# Altium PCB PIC32MZ_BOARD.PcbDoc
Units mil, origin at the board's own origin, x right, y up, seen from the top; angles counter-clockwise.
Board outline 2412 x 890 mil, 2 copper layers (Top Layer, Bottom Layer); 43 components, 60 nets, 232 pads, 195 vias.
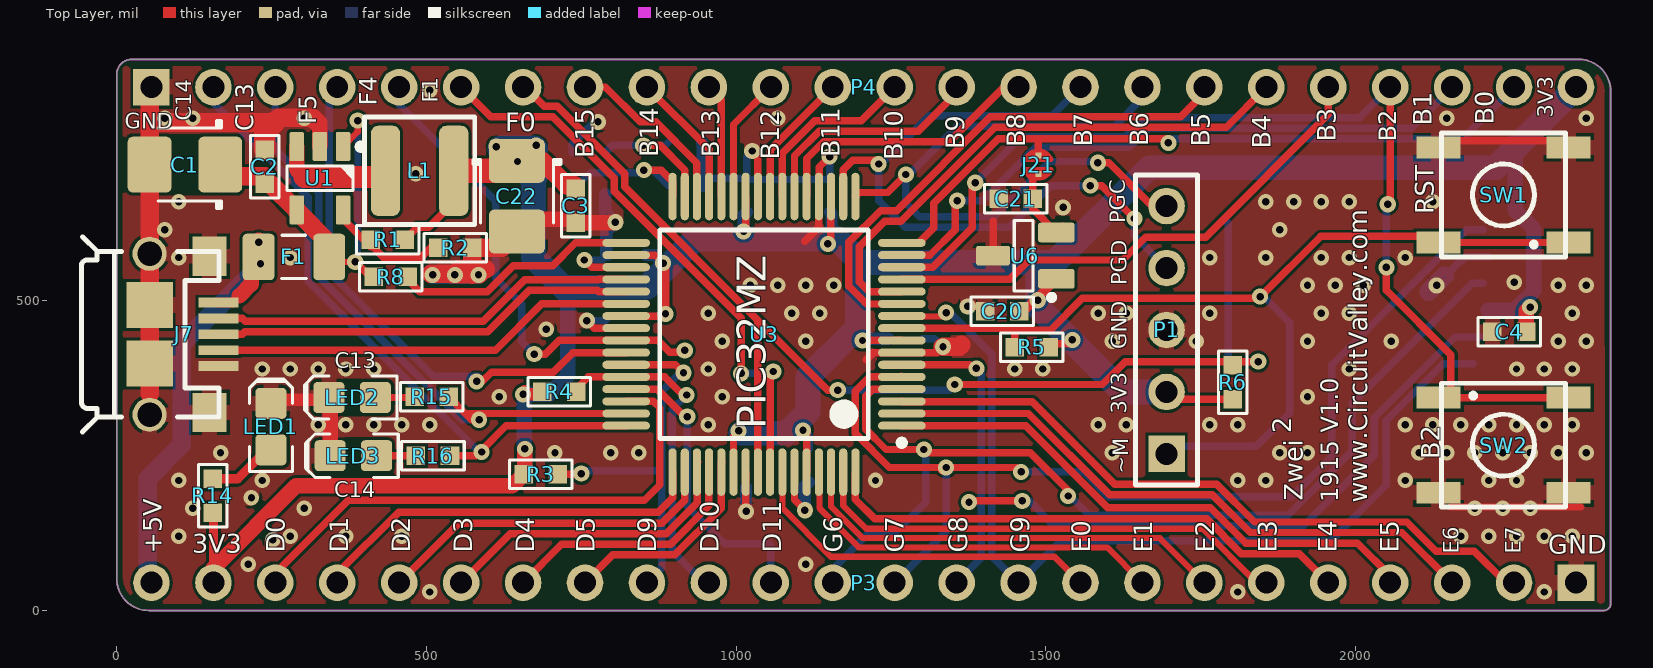
[diagram p0: Top Layer view]
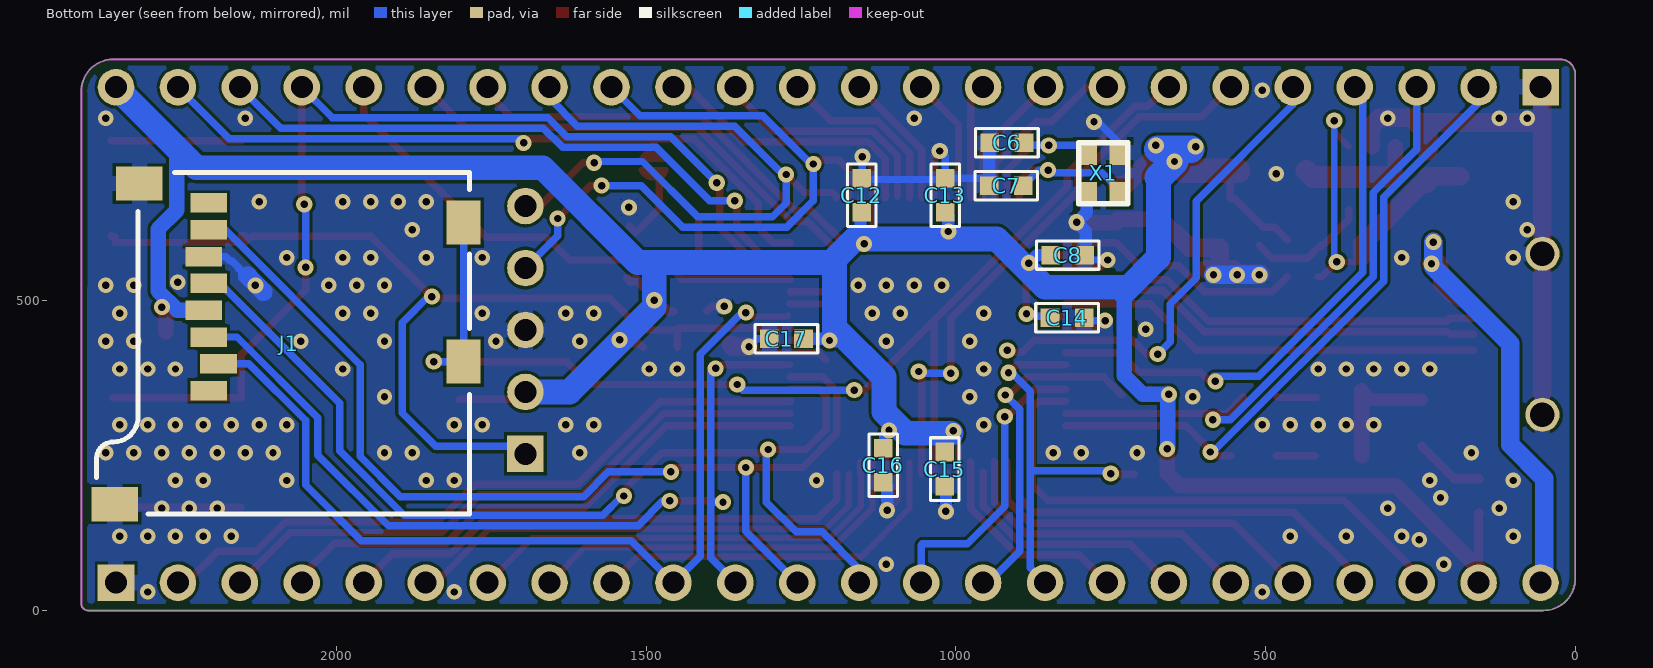
[diagram p1: Bottom Layer view, seen from below]

## Layer stack, top to bottom
Top Solder: solder mask 0.4, Solder Resist, Dk 3.5
Top Layer: signal copper 1.4
Dielectric 1: dielectric 12.6, FR-4, Dk 4.8
Bottom Layer: signal copper 1.4
Bottom Solder: solder mask 0.4, Solder Resist, Dk 3.5

## Board outline
0,51.6 0,866.1 cw(c23.9,866.1) 23.9,890 2360.4,890 cw(c2360.4,838.4) 2412,838.4 2412,11 cw(c2401,11) 2401,0 51.6,0 cw(c51.6,51.6)

## Design rules (kind name [scope] priority, off if disabled: settings)
Clearance [All] p1: gap=5
ComponentClearance [All] p1: gap=5 collisioncheckmode=3 verticalgap=5 showdistances=FALSE
DiffPairsRouting [All] p1: maxlimit=10 minlimit=5 mostfreqgap=5 toplayer_minwidth=5 toplayer_maxwidth=50 toplayer_prefwidth=12 bottomlayer_minwidth=5 bottomlayer_maxwidth=50 bottomlayer_prefwidth=12 maxuncoupledlength=500
PolygonConnect [All] p1: connectstyle=Relief reliefconductorwidth=25 reliefentries=4 polygonreliefangle="90 Angle" airgapwidth=5
RoutingVias [All] p1: holewidth=11.81 width=50 viastyle="Through Hole" minholewidth=7.87 minwidth=17.72 maxholewidth=244.09 maxwidth=196.85
SolderMaskExpansion [All] p1: expansion=4
Width [All] p1: maxlimit=200 minlimit=5 preferedwidth=10
28 further rules are at their usual default settings.

## Classes and differential pairs
differential pair USB: +USB_P -USB_N

## Components (designator, comment, footprint, x,y, rotation, side; value= is the part's Value field where it differs from the comment)
C1 "10µ" CAPMP3528X210N 110,720 r180 top
C2 "100nf" 0603C-GENERIC 239,744 r270 top
C3 "100nf" 0603C-GENERIC 741,626 r90 top
C4 "100nf" 0603C-GENERIC 2221,450 r0 top
C6 "22pf" 0603C-GENERIC 945,755 r180 bottom
C7 "22pf" 0603C-GENERIC 946,686 r180 bottom
C8 "470nf" 0603C-GENERIC 847,574 r180 bottom
C12 "100nF" 0603C-GENERIC 1152,698 r270 bottom
C13 "100nF" 0603C-GENERIC 1017,698 r270 bottom
C14 "100nF" 0603C-GENERIC 793,473 r0 bottom
C15 "100nF" 0603C-GENERIC 1018,201 r90 bottom
C16 "100nF" 0603C-GENERIC 1117,207 r90 bottom
C17 "100nF" 0603C-GENERIC 1301,439 r180 bottom
C20 "100nf" 0603C-GENERIC 1402,483 r0 top
C21 "2.2nf" 0603C-GENERIC 1424,665 r0 top
C22 "10µ" CAPMP3528X210N 646,669 r270 top
F1 "0ZCJ0050FF2G" RESC3216N 286,571 r0 top
J1 "MicroSD_Selfeject" MicroSD_Selfeject 1785,707 r90 bottom
J7 "Micro-USB-B" 10118193-0001lfc 53,446.06 r270 top
J21 "BYPASS-MINI" BYPASS-MINI 1488,754 r270 top
L1 "2u2" TAIYO_NRS4018T2R2MDGJ 489,710 r0 top
LED1 "Blue" LED-0805-K 249,297 r90 top
LED2 "Blue" LED-0805-K 380,344 r180 top
LED3 "Blue" LED-0805-K 382,250 r180 top
P1 "Header 5" HDR1X5 1695,253 r90 top
P3 "Header 24" HDR1X24 2356,45 r180 top
P4 "Header 24" HDR1X24 56,845 r0 top locked
R1 "450K" 0603R-10K 410,599 r0 top
R2 "100K" 0603R-10K 574,586 r180 top
R3 "1K8" 0603R-10K 712,220 r180 top
R4 "1K8" 0603R-10K 742,353 r180 top
R5 "10K" 0603R-10K 1505,425 r180 top
R6 "10K" 0603R-10K 1802,396 r270 top
R8 "100R" 0603R-10K 415,539 r0 top
R14 "330R" 0603R-10K 155,158 r90 top
R15 "330R" 0603R-10K 536,345 r180 top
R16 "330R" 0603R-10K 538,250 r180 top
SW1 "PushButton" PushButtonGrid5.08x3.81 2239,671 r180 top
SW2 "PushButton" PushButtonGrid5.08x3.81 2239,267 r0 top
U1 "AP3417C" SOT23-5 328,698 r270 top
U3 "PIC32MZ2048EFM064" MCHP-QFP-PT64_V 1045,446.06 r180 top locked
U6 "MAX6021" SOT23-3 1464,573 r180 top
X1 "TSX-3225" "Active Oscillator 2520" 762,706 r270 bottom

## Footprints (in the part's own frame and the unit in brackets; to place one, negate y for a bottom-side part, rotate by r counter-clockwise, add the part's x,y. Pads: shape width x height; smd on the part's side, far side on the other; paste and mask are expansions set on the pad)
0603C-GENERIC [mil] "CAPACITOR 0603"
  rect 30x30 smd: 1(0,0) 2(55,0)
  silkscreen extent -23,-23 78,23, body extent -4,-15 59,15, height 19
0603R-10K [mil] "RESISTOR 0603"
  rect 30x30 smd: 1(0,0) 2(55,0)
  silkscreen extent -23,-23 78,23, body extent -4,-15 59,15, height 20
10118193-0001lfc [mm]
  rect 0.4x1.65 smd: 1(-1.3,2.825) 2(-0.65,2.825) 3(0,2.825) 4(0.65,2.825) 5(1.3,2.825)
  round 1.4 hole 1: 6(-3.3,0) 9(3.3,0)
  rect 1.6x1.4 smd: 6(-3.2,2.45) 9(3.2,2.45)
  rect 1.9x1.9 smd: 7(-1.2,0) 8(1.2,0)
  silkscreen extent -4,-2.8 4,2.85, body extent -3.93,-2.76 3.93,2.9, height 2.81
"Active Oscillator 2520" [mm]
  rect 1x0.85 smd: 1(-0.85,-0.675) 2(0.85,-0.675) 3(0.85,0.675) 4(-0.85,0.675)
  silkscreen extent -1.25,-1 1.25,1, body extent -1.25,-1 1.25,1, height 0.56
BYPASS-MINI [mil] "SOLDERDOT BYPASS"
  rect 10x10 smd paste-300: 1(19.14,0.05)
  rect 10x10 smd paste-30: 2(49.14,0.05)
  Top Layer region: 43,18 45,18 55,8 55,-9 46,-18 43,-18
  Top Layer region: 25,18 23,18 13,8 13,-9 22,-18 25,-18
  Top Layer lines w8: 42.17,-20.43 ccw(c34,0) 45.14,-18.97 ccw(c34,0) 49.14,-15.96 ccw(c34,0) 49.96,-15.14 ccw(c34,0) 55.42,-5 ccw(c34,0) 49.14,15.96 ccw(c34,0) 47.14,17.65 ccw(c34,0) 45.14,18.97 ccw(c34,0) 42.17,20.43 42.17,16 42.17,11.14 42.17,10.1 42.17,0.05 42.17,-8 42.17,-20.43 ; 25.83,-20.43 cw(c34,0) 12,0 cw(c34,0) 12,0.05 cw(c34,0) 12.91,6.28 cw(c34,0) 17.02,13.98 cw(c34,0) 25.83,20.43 25.83,13 25.83,0.05 25.83,-9 25.83,-20.43
CAPMP3528X210N [mm] "Molded body capacitor, Body 3.5x2.8mm, 1210, IPC Nominal settings"
  round 0.254 on Mech14: 0(0,0)
  rrect25% 1.8x2.3 smd: 1(-1.45,0) 2(1.45,0)
  Top Layer pour cut-out: -0.508,1.27 0.508,1.27 0.508,-1.27 -0.508,-1.27
  silkscreen extent -1.5,-1.8 1.1,1.8, body extent -1.75,-1.4 1.75,1.4, height 2.1
HDR1X5 [mm] "Connector; Header; 5 Position"
  rect 1.5x1.5 hole 0.9: 1(0,0)
  round 1.5 hole 0.9: 2(2.54,0) 3(5.08,0) 4(7.62,0) 5(10.16,0)
  silkscreen extent -1.27,-1.27 11.43,1.27
HDR1X24 [mm] "Connector; Header; 24 Position"
  rect 1.5x1.5 hole 0.9: 1(0,0)
  round 1.5 hole 0.9: 2(2.54,0) 3(5.08,0) 4(7.62,0) 5(10.16,0) 6(12.7,0) 7(15.24,0) 8(17.78,0) 9(20.32,0) 10(22.86,0) 11(25.4,0) 12(27.94,0) 13(30.48,0) 14(33.02,0) 15(35.56,0) 16(38.1,0) 17(40.64,0) 18(43.18,0) 19(45.72,0) 20(48.26,0) 21(50.8,0) 22(53.34,0) 23(55.88,0) 24(58.42,0)
LED-0805-K [mil]
  round 20 on Mech14: 0(0,0)
  rrect25% 50x50 smd: A(-37.5,0) K(37.5,0)
  Top Layer pour cut-out: -15,30 15,30 15,-30 -15,-30
  silkscreen extent -72,-35 77,35, body extent -39,-25 39,25, height 31
MCHP-QFP-PT64_V [mm] "QFP, 64-Leads, Body 10x10mm, Pitch 0.5mm"
  oval 1.95x0.33 smd: 1(-5.65,3.75) 2(-5.65,3.25) 3(-5.65,2.75) 4(-5.65,2.25) 5(-5.65,1.75) 6(-5.65,1.25) 7(-5.65,0.75) 8(-5.65,0.25) 9(-5.65,-0.25) 10(-5.65,-0.75) 11(-5.65,-1.25) 12(-5.65,-1.75) 13(-5.65,-2.25) 14(-5.65,-2.75) 15(-5.65,-3.25) 16(-5.65,-3.75) 33(5.65,-3.75) 34(5.65,-3.25) 35(5.65,-2.75) 36(5.65,-2.25) 37(5.65,-1.75) 38(5.65,-1.25) 39(5.65,-0.75) 40(5.65,-0.25) 41(5.65,0.25) 42(5.65,0.75) 43(5.65,1.25) 44(5.65,1.75) 45(5.65,2.25) 46(5.65,2.75) 47(5.65,3.25) 48(5.65,3.75)
  oval 0.33x1.95 smd: 17(-3.75,-5.65) 18(-3.25,-5.65) 19(-2.75,-5.65) 20(-2.25,-5.65) 21(-1.75,-5.65) 22(-1.25,-5.65) 23(-0.75,-5.65) 24(-0.25,-5.65) 25(0.25,-5.65) 26(0.75,-5.65) 27(1.25,-5.65) 28(1.75,-5.65) 29(2.25,-5.65) 30(2.75,-5.65) 31(3.25,-5.65) 32(3.75,-5.65) 49(3.75,5.65) 50(3.25,5.65) 51(2.75,5.65) 52(2.25,5.65) 53(1.75,5.65) 54(1.25,5.65) 55(0.75,5.65) 56(0.25,5.65) 57(-0.25,5.65) 58(-0.75,5.65) 59(-1.25,5.65) 60(-1.75,5.65) 61(-2.25,5.65) 62(-2.75,5.65) 63(-3.25,5.65) 64(-3.75,5.65)
  silkscreen extent -5.77,-4.28 4.28,4.57, body extent -6.1,-6.1 6.1,6.1, height 1.18
MicroSD_Selfeject [mm]
  rect 0.8x1.5 smd: 1(-8.94,10.7) 2(-7.84,10.3) 3(-6.74,10.7) 4(-5.64,10.9) 5(-4.54,10.7) 6(-3.44,10.9) 7(-2.34,10.7) 8(-1.24,10.7)
  rect 1.8x1.4 smd: 9(-2.05,0.25) 10(-7.75,0.25)
  rect 1.4x1.9 smd: 11(-0.45,13.55) 12(-13.6,14.55)
  silkscreen extent -14,0 0,15.3, body extent -14.04,-0.08 0.07,15.12, height 1.87
PushButtonGrid5.08x3.81 [mm]
  rect 1.8x0.9 smd: 1(-2.667,1.95) 1(2.667,1.95) 2(-2.667,-1.95) 2(2.667,-1.95)
  silkscreen extent -2.54,-2.54 2.54,2.54, body extent -3.2,-2.6 3.2,2.6, height 1.52
RESC3216N [mm] "Chip Resistor, Body 3.2x1.6mm, 1206, IPC Medium Density"
  round 0.508 on Mech14: 0(0,0)
  rrect25% 1.3x1.9 smd: 1(-1.45,0) 2(1.45,0)
  silkscreen extent -0.51,-0.89 0.51,0.89, body extent -1.62,-0.82 1.63,0.83, height 0.69
SOT23-3 [mm]
  round 0.5 on Mech14: 0(0,0)
  rrect25% 1.5x0.8 smd: 1(-1.35,0.95) 2(-1.35,-0.95)
  rrect25% 1.4x0.8 smd: 3(1.25,0)
  silkscreen extent -1.25,-1.45 0.38,1.81, body extent -1.4,-1.45 1.4,1.45, height 1.29
SOT23-5 [mm]
  round 0.5 on Mech14: 0(0,0)
  rrect25% 1.2x0.6 smd: 1(-1.3,0.95) 2(-1.3,0) 3(-1.3,-0.95) 4(1.3,-0.95) 5(1.3,0.95)
  silkscreen extent -1.42,-1.35 0.51,1.81, body extent -1.4,-1.45 1.4,1.45, height 1.44
TAIYO_NRS4018T2R2MDGJ [mm] "TAIYO"
  rrect50% 1.2x3.7 smd: 1(-1.4,0) 2(1.4,0)
  silkscreen extent -2.26,-2.2 2.26,2.2, body extent -1.5,-1.5 1.5,1.5, height 1.35

## Part data
C1 C22: library part CAPT_47u_1210_6V3, "Capacitor SMD Tantalum 47uF 20% 6.3V 1210"
C2 C3 C4 C6 C7 C8 C20 C21: library part 0603C-10UF-6V3-X5R-MUR, "CAPACITOR 0603 CERAMIC"
C12 C13 C14 C15 C16 C17: library part 0603C-100NF-25V-X7R-TDK, "CAPACITOR 0603 CERAMIC"
F1: library part FUSE-GENERIC, "GENERIC FUSE"
J21: "SOLDERDOT BYPASS"
L1: library part inductor_smd
LED1 LED2 LED3: library part LED_SMD_Blue_0805_100mcd, "LED 0805 SMD Blue 100mcd 470nm"
P1: "Header, 5-Pin"
P3 P4: "Header, 24-Pin"
R1 R2 R3 R4 R5 R6 R8 R14 R15 R16: library part 0603R-10K, "GENERIC RESISTOR 0603"
U6: library part MAX6021_Ref
X1: library part Crstal_passive_2520

## Via types
v1: diameter 25, hole 12, Top Layer to Bottom Layer, tented both sides, 126 vias
v2: diameter 26, hole 12, Top Layer to Bottom Layer, tented both sides, 69 vias

## Nets (pads, with @x,y where several pads share a name; then routed paths per layer and width w, separated by ;. In a path a pad name is that pad's centre, name@x,y a point inside that pad or via, vN(x,y) a via of type N, cw(c..) or ccw(c..) an arc to the next point about the centre after c; other vN are vias at no path point)
+5V: F1.1 J7.1 P3.24 | length 776.9
  Top Layer w16: J7.1 187.24,497.24 198,508
  Top Layer w25: 198,508 217,527 217,559.09 F1.1
  Top Layer w30: v2(229,595) 229,563 v2(232,560)
  Bottom Layer w30: P3.24 50,51 50,213 105,268 105,431 229,555 v2(229,595)
GND: C1.2 C2.1 C3.1 C4.1 C6.1 C7.1 C8.2 C12.1 C13.1 C14.1 C15.1 C16.1 C17.1 C20.1 C21.1 C22.2 J1.6 J1.11 J1.12 J7.5 J7.6 J7.7 J7.8 J7.9 LED1.K LED2.K LED3.K P1.3 P3.1 P4.1 R2.1 SW1.2 SW2.2 U1.2 U3.7 U3.20 U3.25 U3.35 U3.40 U3.55 U3.59 U6.3 X1.2 X1.4 | length 3600.7
  Top Layer w12: v2(755,566) 766.67,554.33 U3.35 ; v2(759,468) 771.09,455.91 U3.40 ; U3.55 1015.47,160.53 v2(1016,160) ; v2(1026,742) 1035.16,732.84 U3.25 ; U3.59 1094.21,178.79 v2(1111,162) ; 1111,596 1133.58,618.58 U3.20 1134.08,669 1134.08,716.08 v2(1151,733) ; 1210,405 1221.54,416.54 U3.7 1324.54,416.54 v2(1334,426) ; v2(1374,491) 1394,491 C20.1 ; U6.3 1414.79,628.79 ; 2154,167.23 2364,167.23 ; SW1.2@2154,758.77 SW1.2@2364,758.77
  Top Layer w20: LED1.K@248,340.5 330,340.5 LED2.K@344.5,355
  Top Layer w25: 325,787 328,784 U1.2 ; LED3.K LED2.K@344.5,355 ; C22.2@647,610.91 668.09,632 C3.1@739,632 ; C3.1 804,626 v2(805,627)
  Top Layer w30: 53,350.08 53,609.92 52.91,610.01 C1.2 52.91,788 ; P4.1 52.91,841.91 52.91,788 ; 325,787 316,796 277.04,796 276.51,795.47 261.5,795.47 254.03,788 52.91,788 ; v2@507,544 v2@551,544 ; v2@541,543 v2@585,543 ; v2@552,551 596,551 ; v2@574,542 R2.1 622.09,586 C22.2@647,610.91 ; v2(1334,426) 1360.33,426 1363.67,429.33
  Top Layer w35: C2.1 239,772.97 254.03,788
  Bottom Layer w12: X1.4 735.43,753.43 771,789 v2(777,789) ; v2(755,566) 784,566 C8.2 ; v2(759,468) 788,468 C14.1 ; C7.1 958,698 C13.1 ; C15.1@1016,199 C15.1 ; v2(1026,742) 1017,733 C13.1 ; v2(1151,733) 1151,696 1019,696 C13.1 ; C17.1 1321,439 v2(1334,426) ; 2156.73,550.73 2156.73,552.29 2168.45,564.01 2170.01,564.01 2171,565 2172,565 2178.57,571.57 J1.6
  Bottom Layer w20: X1.2 788.57,643.43 v2(805,627) 790,612 790,576 C8.2 ; C6.1 946,754 C7.1 ; v2(1016,160) C15.1@1016,199 ; v2(1111,162) 1111,201 C16.1
  Bottom Layer w30: v2(510,542) v2(546,542) v2(584,542) ; 2118.02,514.62 2143.75,540.35
  other v1: 505,30 1810,30 2305,30 212.5,75 1112.5,75 251.5,114 100,120 280,120 370,120 460,120 2170,120 2215,120 2260,120 2305,120 2350,120 122.5,165 302.5,165 2192.5,165 2237.5,165 2282.5,165 217.5,182 100,210 235,210 1225,210 1810,210 1855,210 2080,210 2215,210 2260,210 167.5,255 707.5,255 797.5,255 842.5,255 1607.5,255 1877.5,255 1922.5,255 2102.5,255 2147.5,255 2192.5,255 2237.5,255 2282.5,255 2327.5,255 2372.5,255 325,300 370,300 415,300 460,300 505,300 955,300 1585,300 1630,300 1765,300 1810,300 2080,300 2125,300 2170,300 2215,300 2260,300 2305,300 2350,300 617.5,345 977.5,345 1922.5,345 235,390 280,390 325,390 370,390 415,390 955,390 1450,390 1495,390 1990,390 2260,390 2305,390 2350,390 977.5,435 1112.5,435 1607.5,435 1742.5,435 1922.5,435 2057.5,435 2327.5,435 2372.5,435 693.5,454 955,480 1090,480 1135,480 1585,480 1630,480 1765,480 1945,480 1990,480 2350,480 1022.5,525 1067.5,525 1112.5,525 1157.5,525 1922.5,525 1967.5,525 2012.5,525 2327.5,525 2372.5,525 2256,530 100,570 280,570 1765,570 1855,570 1945,570 1990,570 2080,570 77.5,615 1877.5,615 100,660 1855,660 1900,660 1945,660 1990,660 2125,660 482.5,705 77.5,795 122.5,795 302.5,795 1067.5,795 2147.5,795 2372.5,795 505,840
  other v2: 2131,525 1528,651
NetC6_2: C6.2 U3.31 X1.1 | length 234.2
  Top Layer w12: v2(850,751) 877.37,751 917.05,711.33 U3.31
  Bottom Layer w12: X1.1 800.11,751 v2(850,751) 886,751 C6.2
NetC7_2: C7.2 U3.32 X1.3 | length 257.5
  Top Layer w12: v2(851,711) 879,711 897.36,692.64 U3.32
  Bottom Layer w12: X1.3@735.43,678.43 764,707 847,707 v2(851,711) 866,711 C7.2
NetC21_2: C21.2 J21.2 U6.2 | length 135.9
  Top Layer w12: 1480,707 1474.18,707 1472.04,704.86 1472.86,704.04 1479,697.9 C21.2 1479,648.55 U6.2 U6.2@1527,620.25
NetL1_1: L1.1 U1.3 | length 189.3
  Top Layer w25: U1.3 290.6,712.4 303,700
  Top Layer w35: 303,700 423.88,700 L1.1
NetLED1_A: LED1.A R14.2 | length 114.7
  Top Layer w15: R14.2 195.5,213 LED1.A@248,265.5
NetLED2_A: LED2.A R15.2 | length 63.9
  Top Layer w12: LED2.A 480,344 R15.2
NetLED3_A: LED3.A R16.2 | length 63.5
  Top Layer w12: LED3.A R16.2
NetR1_1: R1.1 R2.2 U1.5 | length 196.4
  Top Layer w12: U1.5 365.4,631.6 R1.1@410,587 ; R1.1@410,591 432,569 490,569 R2.2@510.5,589.5
NetR8_2: R8.2 U3.33 | length 400.1
  Top Layer w12: R8.2@465,539 489,515 598,515 640,557 704,557 740.7,593.7 U3.33
PGC: P1.5 P4.17 U3.17 | length 1096.6
  Top Layer w10: U3.17@1192.64,665.44 U3.17@1194.17,666.97
  Top Layer w12: U3.17 1199.13,675 1245,675 v2(1274,704) ; v2(1584,723) 1602,723 1672,653 P1.5
  Bottom Layer w12: v2(1274,704) v2@1274,699 ; v2(1584,723) 1585,724 1585,725 1506,725 1417,636 1296,636 1274,658 v2@1274,699 ; P4.17 1656,827 1611,782 1357,782 v2@1274,699
PGD: P1.4 P4.16 U3.18 | length 1131.1
  Top Layer w10: P4.16@1556,834 P4.16
  Top Layer w12: U3.18 1172.95,711.95 1188,727 1224,727 v2(1230,721) ; v2(1572,686) 1590,686 v2(1643,633)
  Bottom Layer w12: v2(1230,721) 1230,662 1273,619 1441,619 1508,686 v2(1572,686) ; v2@1236.5,723.5 1312,799 1510,799 P4.16 ; v2(1643,633) 1643,605 P1.4
RB0: J21.1 P4.23 U3.16 | length 1152.7
  Top Layer w12: U3.16 1294.7,593.7 1319,618 1319,657.59 1423.41,762 1489,762 ; J21.1 1488.05,742 1488.05,761.05 1489,762 ; v2(1698,755) 1698,761 1697,762 1536,762 1489,762
  Bottom Layer w12: v2(1698,755) 1705,762 2173,762 P4.23
RB1: P4.22 U3.15 | length 1026.3
  Top Layer w12: U3.15 1312.97,574.02 1354,615.04 1354,658.64 v2(1357,661.64)
  Bottom Layer w12: v2(1357,661.64) 1397.64,661.64 1484,748 1635,748 1666,779 2090,779 P4.22
RB2: P4.21 SW2.1 U3.14 | length 1712.4
  Top Layer w12: U3.14 1317.33,554.33 1381,618 1381,685.64 v2(1386,690.64) ; v2(2050,554) 2050,517 2154,413 2154,343.77 SW2.1@2361,343.77 ; v2(2052,656) 2056,660 P4.21
  Bottom Layer w12: v2(1386,690.64) 1460.36,765 1627.96,765 1658.96,796 2007,796 P4.21 ; v2(2050,554) 2050,661 2052,659 v2(2052,656)
RB3: P4.20 U3.13 | length 842.9
  Top Layer w12: U3.13 1441.65,534.65 1473,566 1624,566 1661,603 1758,603 1956,801 P4.20
RB4: P4.19 U3.12 | length 895.3
  Top Layer w12: U3.12 1215.04,514.96 1199,531 1199,587.63 1240.19,628.81 1266.19,628.81 1417.37,780 1791,780 P4.19
RB5: P4.18 U3.11 | length 851.8
  Top Layer w12: 1208,497.96 1182,523.96 1182,594.67 1233.14,645.81 1259.14,645.81 1410.33,797 1718,797 1756,835 P4.18 ; 1208.04,497.96 1211,495 1267.17,495 U3.11
RB8: P4.15 U3.21 | length 454.2
  Top Layer w10: U3.21@1113.9,665.44 U3.21
  Top Layer w12: U3.21 1113.9,729.9 1141,757 1344,757 1432,845 P4.15
RB9: P4.14 U3.22 | length 378.7
  Top Layer w12: U3.22 1094.21,734.25 1133.96,774 1294,774 1356,836 P4.14
RB10: P4.13 U3.23 | length 298.7
  Top Layer w10: U3.23@1074.53,665.44 U3.23
  Top Layer w12: U3.23 1074.53,738.61 1126.92,791 1202,791 P4.13
RB11: P4.12 U3.24 | length 221.5
  Top Layer w10: U3.24@1054.84,665.44 U3.24
  Top Layer w12: U3.24 1054.84,743.84 P4.12
RB12: P4.11 U3.27 | length 204.5
  Top Layer w10: U3.27@995.79,665.44 U3.27
  Top Layer w12: U3.27 995.79,784.79 P4.11
RB13: P4.10 U3.28 | length 187.9
  Top Layer w10: U3.28@976.1,665.44 U3.28
  Top Layer w12: P4.10 976.1,824.9 U3.28
RB14: P4.9 U3.29 | length 221.2
  Top Layer w10: U3.29@956.42,665.44 U3.29
  Top Layer w12: P4.9 956.42,744.58 U3.29
RB15: P4.8 U3.30 | length 288.4
  Top Layer w12: P4.8 789,845 845,789 870,789 936.73,722.27 U3.30 U3.30@936.73,665.44
RC13: P4.3 R15.1 U3.47 | length 1013.7
  Top Layer w12: R15.1 562.89,318.11 ; v2(585,308) 573,308 562.89,318.11 ; U3.47 562.89,318.11
  Bottom Layer w12: P4.3 256,744.92 326,674.92 326,538.96 556.96,308 v2(585,308)
RC14: P4.2 R16.1 U3.48 | length 1047.6
  Top Layer w12: 556,250 v2@580,250 ; v2(589,256) 589,259 628.43,298.43 U3.48
  Bottom Layer w12: P4.2 156,820 309,667 309,531.92 584.92,256 v2(589,256)
RD0: P3.22 U3.46 | length 878.1
  Top Layer w12: P3.22 256,60 374,178 852,178 877,203 877,327 866.2,337.8 U3.46
RD1: P3.21 U3.49 | length 648.3
  Top Layer w12: P3.21 356,60 455,159 874,159 897.36,182.36 U3.49
RD2: P3.20 U3.50 | length 578.7
  Top Layer w12: P3.20 552,141 880.04,141 917.05,178.01 U3.50 ; U3.50@918.05,223.62 U3.50@918.05,240.56
RD3: P3.19 U3.51 | length 501.3
  Top Layer w12: P3.19 635,124 887.08,124 937,173.92 937,239.83 U3.51@937.73,240.56
RD4: P3.18 U3.52 | length 406.1
  Top Layer w12: P3.18 718,107 894.12,107 956,168.88 U3.52@956,223.62
RD5: P3.17 U3.53 | length 345.8
  Top Layer w12: P3.17 801,90 901.17,90 976,164.83 976,239.46 U3.53@977.1,240.56
RD9: P3.16 R3.1 U3.43 | length 634.6
  Top Layer w12: R3.1 749,220 v2(750,221) ; U3.43 902.15,396.85 v2(915,384)
  Bottom Layer w12: v2(750,221) 755,226 880,226 ; P3.16 880,69 880,354 910,384 v2(915,384)
RD10: P3.15 R4.1 U3.44 | length 553.8
  Top Layer w12: R4.1@732,348 761.17,377.17 U3.44 884.83,377.17 914,348 v2(920,348)
  Bottom Layer w12: v2(920,348) 897,325 897,96 948,45 P3.15
RD11: P3.14 U3.45 | length 489.1
  Top Layer w12: U3.45 872.52,357.48 921,309 v2(921,313)
  Bottom Layer w12: v2(921,313) 921,168 981.22,107.78 1054,107.78 1056,105.78 P3.14
RE0: P3.9 U3.58 | length 606.5
  Top Layer w10: U3.58@1074,220.03 U3.58@1074.53,220.56 ; U3.58@1075,240.03 1075,165 1153,87 1514,87 P3.9
RE1: P3.8 U3.61 | length 646.4
  Top Layer w10: U3.61@1134.58,240.56 1134.58,165.42 1198,102 1599,102 P3.8
RE2: P3.7 U3.62 | length 726.3
  Top Layer w10: U3.62@1153.27,220.56 1153.27,167.95 1204.21,117 1684,117 P3.7 ; U3.62@1154.27,220.56 U3.62@1154.27,240.56
RE3: P3.6 U3.63 | length 785.7
  Top Layer w10: U3.63@1172.95,220.56 1172.95,169.47 1210.43,132 1753.17,132 1840.17,45 P3.6
RE4: P3.5 U3.64 | length 860.2
  Top Layer w12: U3.64@1192.64,220.56 1192.64,179.36 1224,148 1759.8,148 1815.8,92 1909,92 P3.5
RE5: P3.4 U3.1 | length 900
  Top Layer w12: U3.1 1467.57,298.43 1600,166 1765.92,166 1822.92,109 2003,109 2056,56 P3.4
RE6: P3.3 U3.2 | length 1001.7
  Top Layer w12: U3.2 1471.93,318.11 1603.04,187 1768.96,187 1829.96,126 2075,126 P3.3
RE7: P3.2 U3.3 | length 1109.8
  Top Layer w12: U3.3 1268.24,337 1478,337 1611,204 1776,204 1837,143 2083,143 2130,96 2192,96 2243,45 P3.2
RF0: J1.9 J1.10 P4.7 R6.1 U3.56 | length 1938.8
  Top Layer w12: P4.7 659.04,845 690.04,814 711.04,814 820,705.04 820,684.04 1031,473.04 ; 1031,473 1035.16,468.84 ; U3.56 1035.16,468.84 ; v2(1164,356) 1148,356 1035.16,468.84 ; v2(1353,365) 1591,365 1628,402 v2(1843,402)
  Bottom Layer w12: v2(1164,356) 1344,356 v2(1353,365) ; J1.9 J1.10 1794.96,402 v2(1843,402)
RF1: P4.6 U3.57 | length 929.8
  Top Layer w12: P4.6 604,797 704,797 803,698 803,677 1008,472 v2(1008,383) ; U3.57@1054.84,220.56 U3.57 1054.84,380.84 v2(1060,386)
  Bottom Layer w12: v2(1008,383) 1059,383 1060,384 v2(1060,386)
RF4: P4.5 U3.41 | length 782.7
  Top Layer w12: v2(674,414) 692,414 714.22,436.22 U3.41 873.78,436.22 893,417 914,417 v2(917,420)
  Bottom Layer w12: P4.5 456,817 612,661 612,537 654,495 654,434 v2(674,414)
RF5: P4.4 U3.42 | length 885
  Top Layer w12: v2(581,370) 590,370 605,385 705,385 736.54,416.54 U3.42
  Bottom Layer w12: P4.4 343,832 343,546 511,378 584,378 581,375 v2(581,370)
RG6: J1.5 P3.13 U3.4 | length 1684.1
  Top Layer w12: U3.4 1220.48,357.48 1209,346 1209,293 1242,260 v2(1303,260) 1308,255 1475,255 1541,189 1537,185 v2(1536,185)
  Bottom Layer w12: P3.13 1156,67 1216,127 1258,127 1306,175 1306,257 v2(1303,260) ; v2(1536,185) 1539,185 1570,154 1891,154 1995,258 1995,335 2188.26,528.26 J1.5
RG7: J1.7 P3.12 U3.5 | length 1711.3
  Top Layer w10: P3.12@1243,58 P3.12
  Top Layer w12: U3.5@1266.61,378 U3.5 1215.17,377.17 1192,354 1192,285.96 1246.96,231 1328,231 v2@1333,226 ; v2(1339,231) 1454,231 1460,225 v2(1460,224)
  Bottom Layer w12: P3.12 1339,128 v2(1339,231) ; v2(1460,224) 1561,224 1601,184 1896.96,184 1962,249.04 1962,397 2179.87,614.87 J1.7
RG8: J1.3 P3.11 U3.6 | length 1506.1
  Top Layer w10: U3.6 U3.6@1277,396.85
  Top Layer w12: U3.6@1277,396.85 1377.85,396.85 v2@1378,397 ; v2(1376,175) 1378,177 v2(1462,177)
  Bottom Layer w12: P3.11 1396,85 1396,175 ; v2(1376,175) 1396,175 ; v2(1388,391) 1389,391 1396,384 1396,175 ; v2(1462,177) 1473,177 1513,137 1916,137 2030,251 2030,311 2160.65,441.65 J1.3
RG9: J1.2 P3.10 U3.10 | length 1501.3
  Top Layer w10: U3.10@1270.91,476 1271.91,475 1333,475 v2(1339,481)
  Bottom Layer w12: v2(1339,481) 1346,481 1413,414 1413,88 P3.10 1524,113 1960,113 2050,203 2050,306.96 2141.38,398.34 J1.2
USB_N: J7.2 U3.36 | length 688.3
  Top Layer w12: J7.2 202.7,471.65 207.35,467 591.7,467 658.7,534 777.53,534 778.17,534.65 U3.36
USB_P: J7.3 U3.37 | length 688.6
  Top Layer w12: J7.3 202.7,446.06 206.64,450 598.75,450 665.75,517 776.13,517 778.17,514.96 U3.37
USBID: J7.4 U3.38 | length 689.3
  Top Layer w12: J7.4 611.47,420.47 686.28,495.28 U3.38
VCC: C3.2 C4.2 C8.1 C12.2 C13.2 C14.2 C15.2 C16.2 C17.2 C20.2 C22.1 J1.4 L1.2 P1.2 P3.23 P4.24 R1.2 R3.2 R4.2 R5.1 R6.2 R14.1 U3.8 U3.19 U3.26 U3.34 U3.39 U3.54 U3.60 U6.1 | length 5734
  Top Layer w12: R1.2 485,619 504,619 550,665 557,665 557,697.12 L1.2 ; U3.39@822.56,475.21 v2@886.21,475.21 ; U3.34 868.98,574.02 v2(882,561) 886.21,556.79 v2@886.21,476 ; U3.54 995.79,281.79 v2(1004,290) ; v2(1012,612) 1015.47,615.47 U3.26 ; v2(1108,291) 1113.9,285.1 U3.60 ; v2(1148,592) 1153,597 1153,668.24 U3.19 ; v2(1204,436) 1204.22,436.22 U3.8 ; R5.1 1511,431 v2@1543,431 ; P1.2 1707,341 R6.2
  Top Layer w15: R14.1 156,157 156,68 P3.23 ; C20.2 1463.55,483 v2@1488.28,507.72 ; v2(1487,501) 1487,505.45 U6.1 ; U6.1@1524.15,530.6 U6.1@1529.55,536
  Top Layer w20: v2@659,354 654,349 v2(656,349) 683,349 R4.2
  Top Layer w25: P3.23@156,68 289.5,201.5 638.5,201.5 R3.2 659,222 v2(659,261) ; C4.2 2276,484 v2(2282,490)
  Top Layer w30: v2(647,725.09) 687.91,725.09 726,687 C3.2@739,687
  Top Layer w40: L1.2 631.91,710 v2(647,725.09)
  Bottom Layer w12: C14.2@838,475 886,475 v2(886,479) ; C8.1 C8.1@854,574
  Bottom Layer w15: v2(1108,291) 1117,282 C16.2
  Bottom Layer w20: C8.1@854,574 869,574 v2(882,561) ; v2(1012,612) 1012,638 C13.2 ; C12.2 1154,641 v2@1154,600 ; 1190,451 1202,439 C17.2
  Bottom Layer w25: v2(656,349) v2@658,349 ; v2(659,261) 658,262 v2@658,349 ; 728,515 728,379 698,349 v2@658,349 ; v2(1004,290) v2@1007.64,286.36 ; J1.4 2256.95,484.95 2288,516 2288,616 2258,646 2258,729 2249,738
  Bottom Layer w40: 673,699 673,570 728,515 ; 721,522 856,522 934,600 v2@1154,600 ; v2@1007.64,286.36 1081.36,286.36 1116,321 1116,377 1190,451 ; v2@1154,601 1162,601 1196,567 ; v2@1196,445 1196,567 ; 1487,561 v2(1487,501) 1487,490 1624,353 P1.2 ; P4.24 2249,738 2226,715 1667,715 1514,562 1201,562 1196,567
  Bottom Layer w45: v2@620.82,744.88 v2@673.82,744.88 ; v2(647,725.09) 647,725 673,699
  other v2: 1543,437 613,749.09 677,751.09
VUSB: C1.1 C2.2 F1.2 R8.1 U1.1 U1.4 | length 615.8
  Top Layer w10: F1.2@344,572 353,563 v2(385,563) F1.2@354.09,563 ; U1.1 389,772.78 v2(389,791)
  Top Layer w12: v2(385,563) 409,539 R8.1
  Top Layer w30: C1.1@186.09,701 C2.2@239,701 ; C2.2 248,689 290.18,646.82 U1.4 290.6,645.4 344,592 F1.2@344,572
  Bottom Layer w10: v2(385,563) 389,567 v2(389,791)
~MCLR: P1.1 R5.2 SW1.1 U3.9 | length 1641.5
  Top Layer w12: U3.9 1448.09,455.91 1451,453 1454,453 ; R5.2 1450,449 1454,453 ; v2(1846,507) v2@1846.5,506.5 ; SW1.1@2147,605.23 SW1.1@2154,605.23 ; SW1.1@2357,594.23 2147,594.23 2137.23,604 1944,604 v2@1846.5,506.5 ; SW1.1@2357,603.23 2362,603.23 SW1.1@2364,605.23 ; 1454,453 1508,453 1559,504 1846,504 1846,506 v2@1846.5,506.5
  Bottom Layer w12: P1.1 1707,265 1840,265 1894,319 1894,465 1852,507 v2(1846,507)
pads on no net: C1.0 C22.0 F1.0 J1.1 J1.8 LED1.0 LED2.0 LED3.0 U1.0 U6.0

## Polygon pours and split planes (outlines as drawn)
GND on Top Layer "Top-GND" (solid, pour order 7): 10,879 2360,879 cw(c2360,837) 2402,837 2402,16 cw(c2397,16) 2397,11 54,11 cw(c54,55) 10,55
GND on Bottom Layer "Top-GND" (solid, pour order 7): 10,879 2360,879 cw(c2360,837) 2402,837 2402,16 cw(c2397,16) 2397,11 54,11 cw(c54,55) 10,55

## Keep-outs
Keep-Out Layer:
  lines w3: 0,51.6 ccw(c51.6,51.6) 51.6,0 2401,0 ccw(c2401,11) 2412,11 2412,764 2412,838.4 ccw(c2360.4,838.4) 2360.4,890 23.9,890 ccw(c23.9,866.1) 0,866.1 0,51.6

## Silkscreen, mask and mechanical layers (free items; w line width, h text height)
Top Overlay:
  text "F1" at 518,820 h25 r90
  text "F4" at 420,815 h28 r90
  text "3V3" at 2319,796 h25 r90
  text "C14" at 120,791 h25 r90
  text "F5" at 322,785 h28 r90
  text "B0" at 2223,784 h30 r90
  text "B1" at 2123,783 h30 r90
  text "GND" at 13,778 h25
  text "C13" at 220,774 h28 r90
  text "F0" at 627,774 h30
  text "B3" at 1968,757 h30 r90
  text "B2" at 2066,757 h28 r90
  text "B6" at 1665,750 h30 r90
  text "B7" at 1575,749 h30 r90
  text "B5" at 1765,749 h30 r90
  text "B8" at 1467,748 h30 r90
  text "B4" at 1863,746 h30 r90
  text "B9" at 1368,745 h30 r90
  text "B14" at 874,732 h30 r90
  text "B13" at 973,732 h28 r90
  text "B11" at 1167,732 h30 r90
  text "B15" at 770,730 h30 r90
  text "B12" at 1070,728 h30 r90
  text "B10" at 1269,727 h30 r90
  text "RST" at 2126,640 h30 r90
  text "PGC" at 1628,625 h25 r90
  text "PGD" at 1631,525 h25 r90
  text "GND" at 1631,422 h25 r90
  text "C13" at 352,391 h25
  text "3V3" at 1631,318 h25 r90
  text "PIC32MZ" at 1063,293 h80 r90
  text "2" at 1896,286 h30 r90
  text "B2" at 2136,244 h30 r90
  text "~M" at 1633,221 h25 r90
  text "C14" at 351,183 h25
  text "Zwei" at 1915,177 h30 r90
  text "1915 V1.0" at 1972,175 h28 r90
  text "www.CircuitValley.com" at 2019,174 h30 r90
  text "3V3" at 122,93 h30
  text "D0" at 271,93 h30 r90
  text "D1" at 374,93 h30 r90
  text "D2" at 474,93 h30 r90
  text "D3" at 574,93 h30 r90
  text "D4" at 674,93 h30 r90
  text "D5" at 772,93 h30 r90
  text "D9" at 871,93 h30 r90
  text "D10" at 972,93 h30 r90
  text "D11" at 1073,93 h30 r90
  text "G6" at 1171,93 h30 r90
  text "G7" at 1271,93 h30 r90
  text "G8" at 1373,93 h30 r90
  text "G9" at 1473,93 h30 r90
  text "E0" at 1572,93 h30 r90
  text "E1" at 1672,93 h30 r90
  text "E2" at 1772,93 h30 r90
  text "E3" at 1873,93 h30 r90
  text "E4" at 1970,93 h30 r90
  text "E5" at 2070,93 h30 r90
  text "+5V" at 73,92 h30 r90
  text "E6" at 2167,92 h25 r90
  text "E7" at 2267,92 h25 r90
  text "GND" at 2311,92 h30
Bottom Solder:
  text "2" at 549,225 h30
  text "Zwei" at 674,196 h35
  text "1915 V1.0" at 673,150 h28
  text "www.CircuitValley.com" at 671,109 h30